# Altium PCB 掌控拓展板Ⅰ V1.3.PcbDoc (part 1 of 2)
Units mm, origin at the board's own origin, x right, y up, seen from the top; angles counter-clockwise.
Board outline 51.8 x 47.39 mm, 2 copper layers (Top Layer, Bottom Layer); 112 components, 72 nets, 363 pads, 155 vias.
Unrouted connection lines stored in the file: 2.
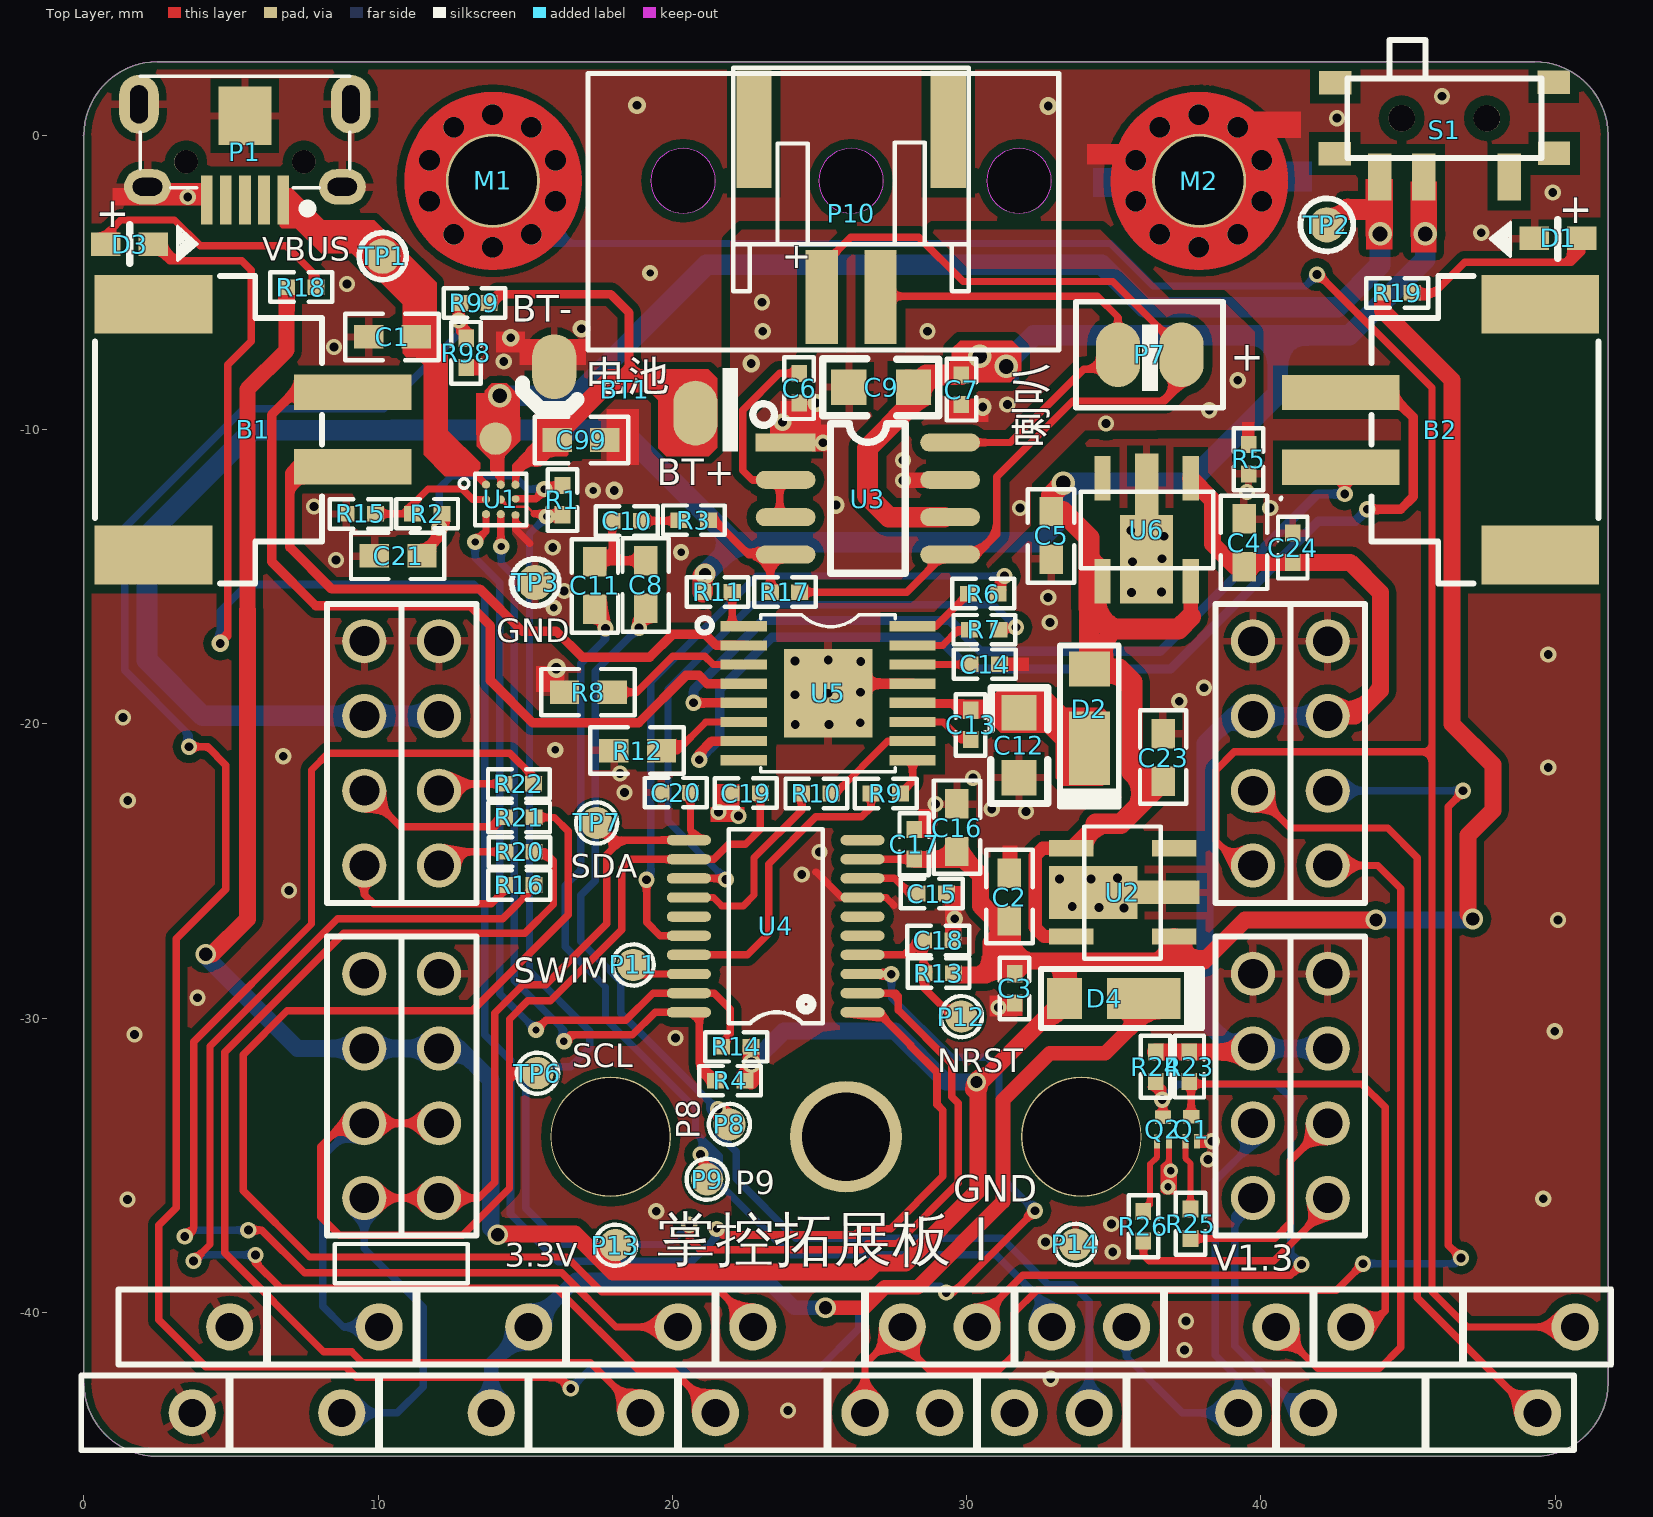
[diagram p0: Top Layer view]
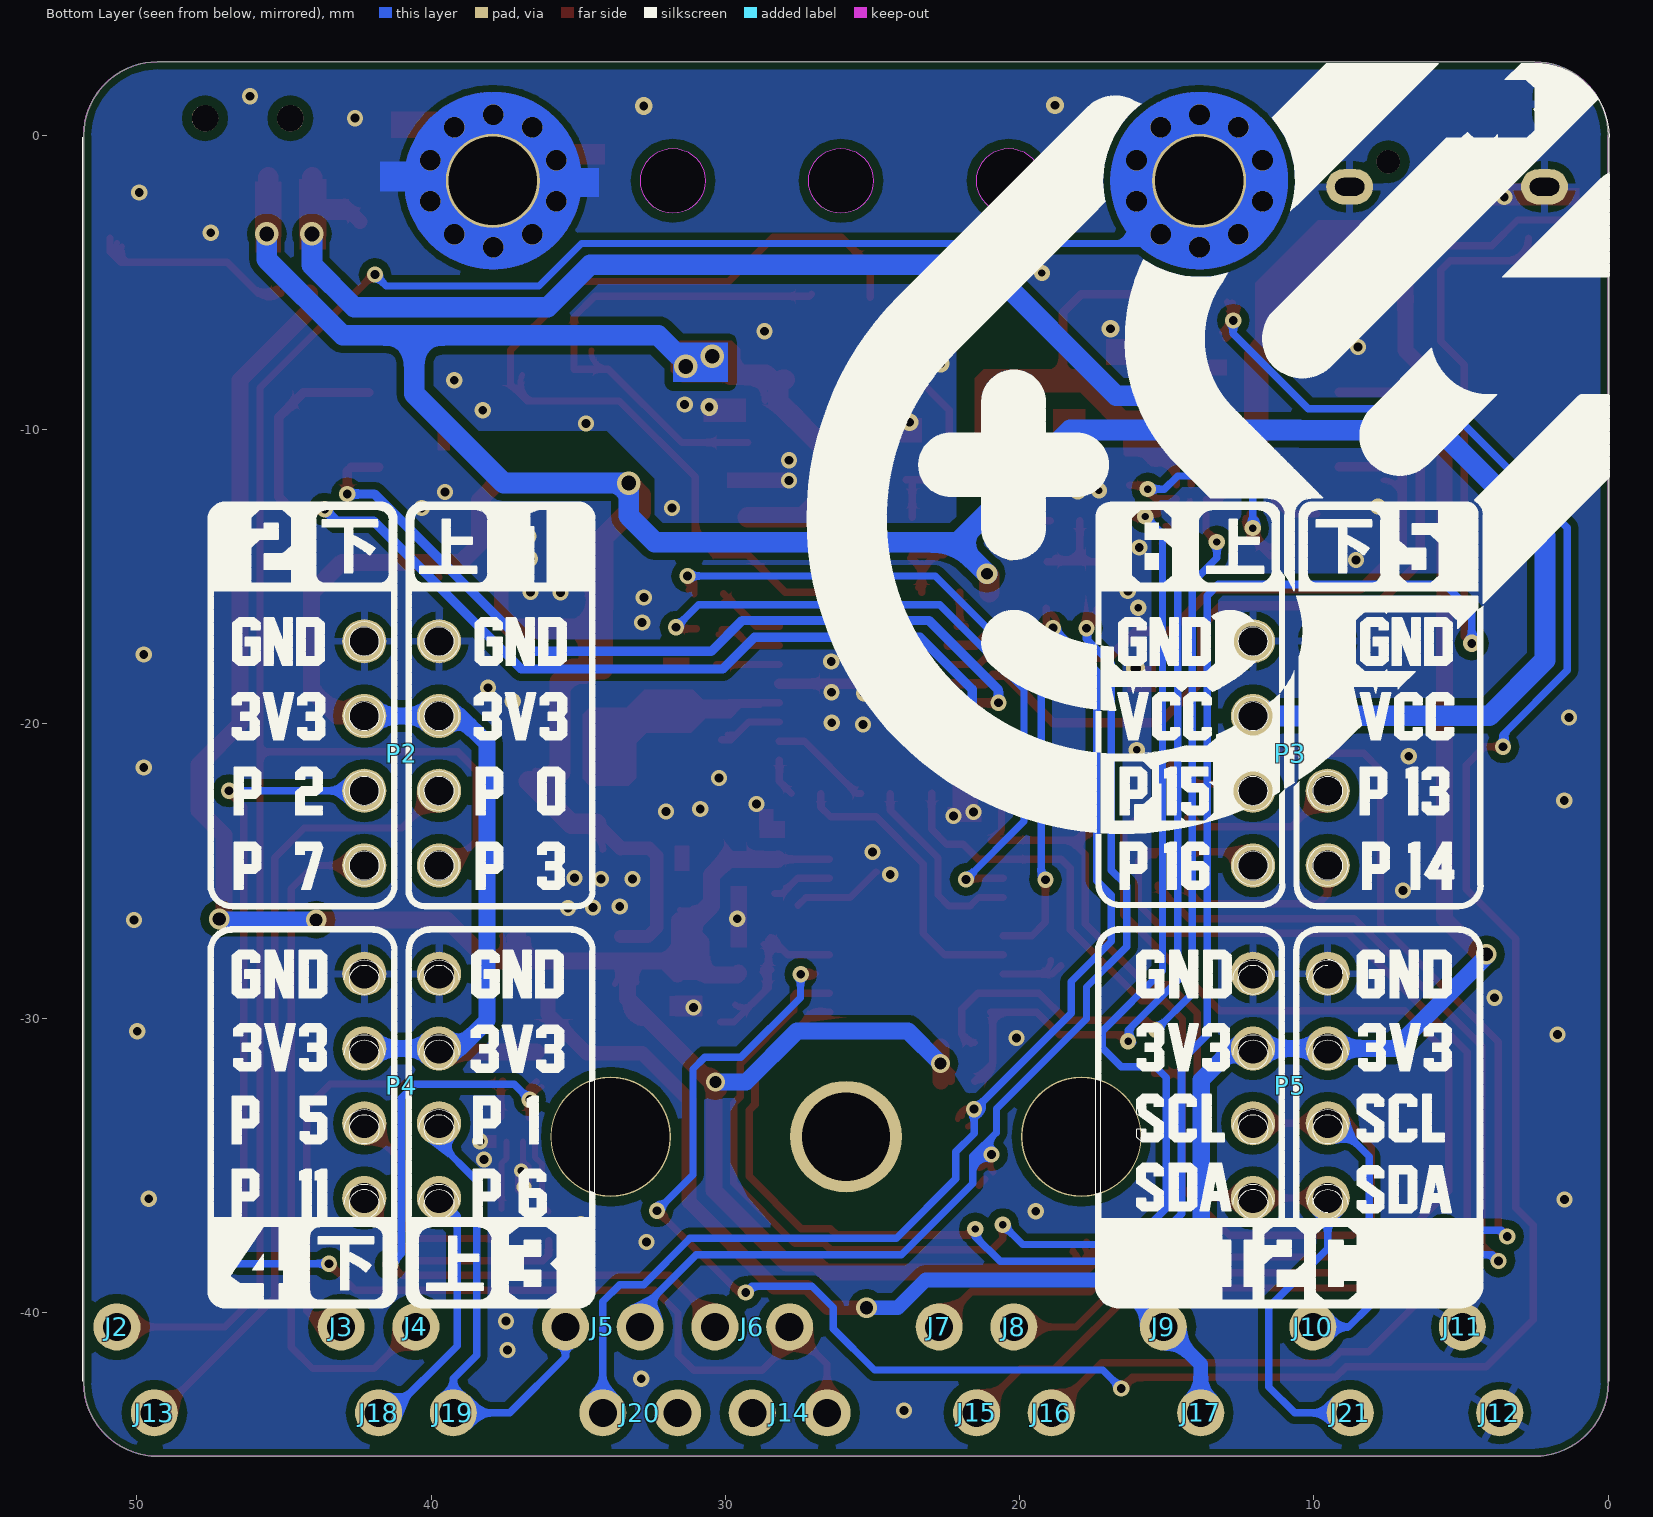
[diagram p1: Bottom Layer view, seen from below]

## Layer stack, top to bottom
Top Solder: solder mask 0.0102, Solder Resist, Dk 3.5
Top Layer: signal copper 0.0356
Dielectric 1: dielectric 0.32, FR-4, Dk 4.8
Bottom Layer: signal copper 0.0356
Bottom Solder: solder mask 0.0102, Solder Resist, Dk 3.5

## Board outline
0,-42.388 ccw(c2.507,-42.381) 2.5,-44.888 49.3,-44.888 ccw(c49.293,-42.38) 51.8,-42.388 51.8,0 ccw(c49.293,-0.007) 49.3,2.5 2.5,2.5 ccw(c2.507,-0.007) 0,0

## Design rules (kind name [scope] priority, off if disabled: settings)
Clearance Clearance_3 [InNet('AU_GND')] p1: gap=0.3
Clearance Clearance_2 [IsVia] p2: gap=0.28
Clearance Clearance_1 [IsPad] p3: gap=0.318
Clearance [All] p4: gap=0.25
PolygonConnect PolygonConnect_1 [IsVia] p1: connectstyle=Direct reliefconductorwidth=0.254 reliefentries=4 polygonreliefangle="90 Angle" airgapwidth=0.254
PolygonConnect [All] p2: connectstyle=Relief reliefconductorwidth=0.254 reliefentries=4 polygonreliefangle="90 Angle" airgapwidth=0.254
RoutingVias [All] p1: holewidth=0.711 width=1.27 viastyle="Through Hole" minholewidth=0.711 minwidth=1.27 maxholewidth=0.711 maxwidth=1.27
SolderMaskExpansion [All] p1: expansion=0.102
Width Width_13 [InNet('3V3_2')] p1: maxlimit=0.58 minlimit=0.58 preferedwidth=0.58
Width Width_12 [InNet('NetD4_C')] p2: maxlimit=0.5 minlimit=0.5 preferedwidth=0.5
Width Width_11 [InNet('3V3_1')] p3: maxlimit=0.58 minlimit=0.58 preferedwidth=0.58
Width Width_10 [InNet('NetD3_C')] p4: maxlimit=0.258 minlimit=0.258 preferedwidth=0.258
Width Width_9 [InNet('NetB2_2')] p5: maxlimit=0.32 minlimit=0.32 preferedwidth=0.32
Width Width_8 [InNet('NetB2_1')] p6: maxlimit=0.32 minlimit=0.32 preferedwidth=0.32
Width Width_7 [InNet('NetB1_2')] p7: maxlimit=0.32 minlimit=0.32 preferedwidth=0.32
Width Width_4 [InNet('NetB1_1')] p8: maxlimit=0.32 minlimit=0.32 preferedwidth=0.32
Width Width_6 [InNet('3V3_MCU')] p9: maxlimit=0.4 minlimit=0.4 preferedwidth=0.4
Width Width_5 [InNet('NetS1_2')] p10: maxlimit=0.7 minlimit=0.7 preferedwidth=0.7
Width Width_3 [InNet('3V3')] p11: maxlimit=0.55 minlimit=0.55 preferedwidth=0.55
Width Width_2 [InNet('VCC')] p12: maxlimit=0.7 minlimit=0.7 preferedwidth=0.7
Width Width_1 [InNet('NetBT1_1')] p13: maxlimit=0.8 minlimit=0.8 preferedwidth=0.8
Width [All] p14: maxlimit=0.25 minlimit=0.25 preferedwidth=0.25
30 further rules are at their usual default settings.

## Classes and differential pairs
component class Designator: D4 J2 J3 J4 J5 J6 J7 J8 J9 J10 J11 J12 J13 J14 J15 J16 J17 J18 J19 J20 J21 M1 M2 P2 P3 P4 P5 Q1 Q2 R16 R20 R21 R22 R23 R24 R25 R26

## Components (designator, comment, footprint, x,y, rotation, side; value= is the part's Value field where it differs from the comment)
B1 "N20" 2PIN/2.54MM座子 5.752,-10 r270 top locked
B2 "N20" 2PIN/2.54MM座子 46.1,-10 r90 top locked
BT1 "3.7V,400mAh" 焊盘#1 19.612,-9.438 r0 top locked
C1 "10uF" 0603 10.487,-6.848 r180 top
C2 "10uF" 0603 31.455,-25.885 r90 top
C3 "0.1uF" 0402 31.63,-28.99 r270 top
C4 "10uF" 0603 39.429,-13.845 r90 top
C5 "10uF" 0603 32.871,-13.592 r270 top
C6 "1uF" 0402 24.307,-8.588 r270 top
C7 "0.1uF" 0402 29.822,-8.64 r90 top
C8 "10uF" 0603 19.094,-15.263 r270 top
C9 "47uF" 0805 27.096,-8.557 r180 top
C10 "0.1uF" 0402 18.451,-13.097 r180 top
C11 "10uF" 0603 17.363,-15.294 r270 top
C12 "47UF" 0805 31.778,-20.724 r270 top
C13 "0.01uF" 0402 30.133,-20.036 r270 top
C14 "2.2uF" 0402 30.615,-17.971 r0 top
C15 "0.68uF" 0402 28.816,-25.763 r180 top
C16 "10uF" 0603 29.667,-23.525 r90 top
C17 "0.1uF" 0402 28.217,-24.086 r90 top
C18 "0.1uF" 0402 29.033,-27.354 r0 top
C19 "30pF" 0402 22.49,-22.351 r180 top
C20 "30pF" 0402 20.118,-22.338 r180 top
C21 "0.1uF" 0603 10.683,-14.286 r180 top
C23 "10uF" 0603 36.68,-21.141 r90 top (schematic designator C12)
C24 "0.1uF" 0402 41.082,-14.009 r90 top
C99 "4.7uF" 0603 16.898,-10.351 r0 top (schematic designator C21)
D1 "绿" 0603LED 50.099,-3.501 r0 top (schematic designator D2)
D2 "SBR2U30P1" POWERDI123 34.17,-19.482 r270 top
D3 "红" 0603LED 1.555,-3.7 r180 top (schematic designator D4)
D4 "SBR2U30P1" POWERDI123 34.674,-29.332 r0 top
J2 "" 顶针座子（2.54MM）#1 49.404,-40.492 r180 bottom locked
J3 "" 顶针座子（2.54MM）#2 44.324,-40.492 r180 bottom locked
J4 "" 顶针座子（2.54MM）#1 39.244,-40.492 r180 bottom locked
J5 "" 顶针座子（2.54MM）#3 34.164,-40.492 r180 bottom locked
J6 "" 顶针座子（2.54MM）#3 29.084,-40.492 r180 bottom locked
J7 "" 顶针座子（2.54MM）#2 24.004,-40.492 r180 bottom locked
J8 "" 顶针座子（2.54MM）#1 18.924,-40.492 r180 bottom locked
J9 "" 顶针座子（2.54MM）#1 13.844,-40.492 r180 bottom locked
J10 "" 顶针座子（2.54MM）#1 8.764,-40.492 r180 bottom locked
J11 "" 顶针座子（2.54MM）#1 3.684,-40.492 r180 bottom locked
J12 "" 顶针座子（2.54MM）#1 2.414,-43.412 r180 bottom locked
J13 "" 顶针座子（2.54MM）#1 48.134,-43.412 r180 bottom locked
J14 "" 顶针座子（2.54MM）#3 27.814,-43.412 r180 bottom locked
J15 "" 顶针座子（2.54MM）#2 22.734,-43.412 r180 bottom locked
J16 "" 顶针座子（2.54MM）#1 17.654,-43.412 r180 bottom locked
J17 "" 顶针座子（2.54MM）#1 12.574,-43.412 r180 bottom locked
J18 "" 顶针座子（2.54MM）#2 43.054,-43.412 r180 bottom locked
J19 "" 顶针座子（2.54MM）#1 37.974,-43.412 r180 bottom locked
J20 "" 顶针座子（2.54MM）#3 32.894,-43.412 r180 bottom locked
J21 "" 顶针座子（2.54MM）#1 7.494,-43.412 r180 bottom locked
M1 "" 3MM螺丝孔 13.9,-1.544 r180 top locked
M2 "" 3MM螺丝孔 37.9,-1.544 r180 top locked
P1 "USB-Micro" MICRO_USB2 5.475,-0.571 r0 top locked
P2 "Header 4X2" 双拼弯角排针2.54/4P#1 41,-21 r90 bottom locked
P3 "Header 4X2" 双拼弯角排针2.54/4P#1 10.801,-20.999 r90 bottom locked
P4 "Header 4X2" 双拼弯角排针2.54/4P#1 41,-32.3 r90 bottom locked
P5 "Header 4X2" 双拼弯角排针2.54/4P#2 10.799,-32.098 r90 bottom locked
P7 "speaker" 焊盘#2 36.211,-7.455 r0 top (schematic designator BT1)
P8 "" 测试点#1 21.939,-33.61 r0 top
P9 "" 测试点#1 21.179,-35.475 r0 top
P10 "NC" 2PIN/2.0MM座子 26.073,-2.645 r180 top locked
P11 "" 测试点#1 18.668,-28.191 r0 top (schematic designator P8)
P12 "" 测试点#1 29.821,-29.946 r0 top (schematic designator P8)
P13 "" 测试点#1 18.066,-37.712 r0 top (schematic designator P8)
P14 "" 测试点#1 33.692,-37.688 r0 top (schematic designator P8)
Q1 "J3Y" "DFN 3L" 37.63,-33.762 r270 top
Q2 "J3Y" "DFN 3L" 36.671,-33.774 r270 top
R1 "10K" 0402 16.265,-12.393 r270 top
R2 "10K" 0402 11.665,-12.856 r0 top
R3 "1K" 0402 20.732,-13.076 r180 top
R4 "10K" 0402 21.963,-32.125 r180 top
R5 "0R" 0402 39.581,-11.007 r270 top
R6 "1K" 0402 30.564,-15.573 r0 top
R7 "1K" 0402 30.602,-16.798 r0 top
R8 "0.2R" 0603 17.145,-18.922 r180 top
R9 "1K" 0402 27.253,-22.363 r180 top
R10 "1K" 0402 24.894,-22.363 r180 top
R11 "47K" 0402 21.535,-15.517 r180 top
R12 "0.2R" 0603 18.819,-20.907 r180 top
R13 "10K" 0402 29.048,-28.472 r0 top
R14 "10K" 0402 22.172,-30.972 r180 top
R15 "10K" 0402 9.407,-12.863 r0 top
R16 "200R" 0402 14.798,-25.473 r0 top
R17 "6.81K" 0402 23.826,-15.523 r180 top
R18 "2.2K" 0402 7.392,-5.157 r180 top
R19 "2.2K" 0402 44.633,-5.352 r180 top
R20 "200R" 0402 14.804,-24.344 r180 top
R21 "200R" 0402 14.791,-23.178 r0 top
R22 "200R" 0402 14.785,-22.036 r180 top
R23 "10K" 0402 37.566,-31.645 r90 top
R24 "10K" 0402 36.42,-31.651 r90 top
R25 "1K" 0402 37.607,-36.988 r270 top
R26 "1K" 0402 36.004,-37.066 r270 top
R98 "1M" 0402 12.991,-7.393 r270 top (schematic designator R22)
R99 "1M" 0402 13.274,-5.695 r180 top (schematic designator R22)
S1 "SW-SPDT" MSK-12C01-07(1P2T) 46.234,0.195 r0 top locked
S2 "SW-SPDT" MSK-12C01-07(1P2T) 199.783,29.014 r0 top
S3 "SW-SPDT" MSK-12C01-07(1P2T) 255.583,29.02 r0 top
S4 "SW-SPDT" MSK-12C01-07(1P2T) 255.583,-22.37 r0 top
S5 "SW-SPDT" MSK-12C01-07(1P2T) 199.783,-22.376 r0 top
TP1 "VBUS" 测试点#2 10.155,-4.106 r0 top
TP2 "Vsys" 测试点#2 42.239,-3.041 r180 top locked
TP3 "GND" 测试点#2 15.337,-15.194 r0 top
TP6 "SCL" 测试点#1 15.416,-31.868 r180 top
TP7 "SDA" 测试点#1 17.426,-23.365 r180 top
U1 "MP2662" WLCSP-9 14.168,-12.372 r0 top
U2 "CE6210B33P" SOT89-5 35.305,-25.725 r90 top
U3 "MIX2002" SOP-8 26.643,-12.34 r0 top
U4 "'STM8S003F3P6" TSSOP-20 23.51,-26.873 r180 top (schematic designator U8)
U5 "DRV8833" "HTSSOP -16(PWP)" 25.293,-18.957 r270 top (schematic designator U6)
U6 "CE6210B33P" SOT89-5 36.112,-13.403 r180 top

## Footprints (in the part's own frame and the unit in brackets; to place one, negate y for a bottom-side part, rotate by r counter-clockwise, add the part's x,y. Pads: shape width x height; smd on the part's side, far side on the other; paste and mask are expansions set on the pad)
2PIN/2.0MM座子 [mm]
  rect 1.1x3.2 smd mask+0.1: 1(-1,2.85) 2(1,2.85)
  rect 1.2x4 smd mask+0.1: 2(3.3,-2.85) 3(-3.3,-2.85)
  silkscreen extent -4,-4.95 4,2.65
2PIN/2.54MM座子 [mm]
  rect 1.2x4 smd: 1(1.264,3.387) 2(-1.276,3.387)
  rect 2x4 smd: ""(-4.264,-3.387) ""(4.264,-3.387)
  silkscreen extent -5.22,-5.37 5.22,2.34
3MM螺丝孔 [mm]
  round 3.2 hole 3: 1(0,0)
  round 0.7 hole 0.7: 12(1.335,1.821) 13(0.012,2.251) 14(-1.311,1.82) 15(-2.128,0.694) 16(-2.129,-0.694) 18(-1.31,-1.821) 19(0.012,-2.249) 20(1.334,-1.82) 22(2.152,-0.696) 24(2.152,0.695)
  Top Layer drawing of 1328 lines, arcs and shapes, not listed
  Bottom Layer drawing of 1328 lines, arcs and shapes, not listed
0402 [mm]
  rect 0.58x0.53 smd: 1(0.5,0) 2(-0.5,0)
  silkscreen extent -1.05,-0.5 1.05,0.5
0603 [mm]
  rect 1x0.8 smd: 1(-0.81,0) 2(0.81,0)
  silkscreen extent -1.57,-0.79 1.6,0.79, body extent -0.81,-0.4 0.79,0.4, height 0.45
0603LED [mm]
  rect 1x0.8 smd: A(0.81,0) C(-0.81,0)
  silkscreen extent -2.31,-0.67 0,0.64
0805 [mm]
  rect 1.2x1.2 smd: 1(-1.1,0) 2(1.1,0)
  silkscreen extent -1.96,-0.96 1.98,0.98
"DFN 3L" [mm]
  rect 0.48x0.2 smd: 1(0.42,-0.2) 2(0.42,0.2)
  rect 0.46x0.55 smd: 3(-0.41,0)
"HTSSOP -16(PWP)" [mm] "ERP-321210028"
  rect 3x3 smd: 0(0,0)
  rect 0.35x1.57 smd: 1(-2.275,-2.87) 2(-1.625,-2.87) 3(-0.975,-2.87) 4(-0.325,-2.87) 5(0.325,-2.87) 6(0.975,-2.87) 7(1.625,-2.87) 8(2.275,-2.87) 9(2.275,2.87) 10(1.625,2.87) 11(0.975,2.87) 12(0.325,2.87) 13(-0.325,2.87) 14(-0.975,2.87) 15(-1.625,2.87) 16(-2.275,2.87)
  silkscreen extent -2.67,-4.45 2.67,2.29
MICRO_USB2 [mm] "ERP-304100410001"
  rect 1.8x2 smd: 0(0,1.237)
  rect 0.4x1.65 smd: 1(1.3,-1.625) 2(0.65,-1.625) 3(0,-1.625) 4(-0.65,-1.625) 5(-1.3,-1.625)
  oval 0.9x1.5 hole 0.6 slot 1.3 at 90 deg: 6(-3.6,1.625) 7(3.6,1.625)
  oval 1.6x1.2 hole 0.6 slot 1 at 0 deg: 8(-3.31,-1.175) 9(3.31,-1.175)
  round 0.8 hole 0.8: " "(-2,-0.325) " "(2,-0.325)
  silkscreen extent -3.56,-1.92 3.56,2.58
MSK-12C01-07(1P2T) [mm] "贴片7脚拨动开关"
  rect 1.1x0.8 smd: 0(-3.727,-0.814) 0(-3.708,1.592) 0(3.718,1.615) 0(3.727,-0.808)
  round 0.9 hole 0.9: 0(-1.452,0.385) 0(1.448,0.385)
  rect 0.8x1.6 smd: 1(2.198,-1.615) 2(-2.202,-1.615) 3(-0.702,-1.615)
  silkscreen extent -3.3,-0.96 3.3,3.04
POWERDI123 [mm] "ERP-323110003"
  rect 1.2x1.4 smd: A(-1.35,0)
  rect 2.5x1.4 smd: C(1.35,0)
  silkscreen extent -2.15,-1 3.33,1
SOP-8 [mil]
  rect 80x24 smd: 1(-110,75)
  oval 80x24 smd: 2(-110,25) 3(-110,-25) 4(-110,-75) 5(110,-75) 6(110,-25) 7(110,25) 8(110,75)
  silkscreen extent -50,-100 50,100
SOT89-5 [mm]
  rect 0.55x1.5 smd: 1(-1.5,-1.75) 3(1.5,-1.75) 4(1.5,1.75) 5(-1.5,1.75)
  rect 1.8x3 smd: 2(0,1)
  rect 0.8x2.5 smd: 2(0,-1.35)
  silkscreen extent -2.26,-1.3 2.24,1.3
TSSOP-20 [mm]
  oval 1.5x0.35 smd: 1(-2.95,2.925) 2(-2.95,2.275) 3(-2.95,1.625) 4(-2.95,0.975) 5(-2.95,0.325) 6(-2.95,-0.325) 7(-2.95,-0.975) 8(-2.95,-1.625) 9(-2.95,-2.275) 10(-2.95,-2.925) 11(2.95,-2.925) 12(2.95,-2.275) 13(2.95,-1.625) 14(2.95,-0.975) 15(2.95,-0.325) 16(2.95,0.325) 17(2.95,0.975) 18(2.95,1.625) 19(2.95,2.275) 20(2.95,2.925)
  silkscreen extent -1.6,-3.3 1.6,3.3
WLCSP-9 [mm]
  round 0.28 smd mask+0.03: A1(-0.5,0.5) A2(0,0.5) A3(0.5,0.5) B1(-0.5,0) B2(0,0) C1(-0.5,-0.5) C2(0,-0.5)
  round 0.2 smd mask+0.03: B3(0.5,0) C3(0.5,-0.5)
  silkscreen extent -1.41,-0.87 0.87,0.87
双拼弯角排针2.54/4P#1 [mm]
  round 1.5 hole 1.016: 1(-3.81,-1.27) 2(-3.81,1.27) 3(-1.27,-1.27) 4(-1.27,1.27) 5(1.27,-1.27) 6(1.27,1.27) 7(3.81,-1.27) 8(3.81,1.27)
双拼弯角排针2.54/4P#2 [mm]
  round 1.5 hole 1.016: 1(-4.012,-1.269) 2(-4.012,1.271) 3(-1.472,-1.269) 4(-1.472,1.271) 5(1.068,-1.269) 6(1.068,1.271) 7(3.608,-1.269) 8(3.608,1.271)
  silkscreen extent 2.97,-2.54 4.24,-2.54
测试点#1 [mm]
  round 1.1 smd: 1(0,0)
  silkscreen extent -0.7,-0.7 0.7,0.7
测试点#2 [mm]
  round 1.2 smd: 1(0,0)
  silkscreen extent -0.8,-0.8 0.8,0.8
焊盘#1 [mm]
  oval 1.5x2.2 smd: 1(1.17,0) 2(-3.626,1.578)
焊盘#2 [mm]
  oval 1.5x2.2 smd: 1(-1.07,0) 2(1.091,0)
  silkscreen extent -2.5,-1.8 2.5,1.8
顶针座子（2.54MM）#1 [mm]
  round 1.6 hole 0.95: 1(-1.27,0)
顶针座子（2.54MM）#2 [mm]
  round 1.6 hole 0.95: 2(1.27,0)
顶针座子（2.54MM）#3 [mm]
  round 1.6 hole 0.95: 1(-1.27,0) 2(1.27,0)

## Part data
B1 B2: library part Motor, "Motor, General Kind"
BT1: library part Battery, "4.2V Li-lon"
C1 C2 C3 C4 C5 C6 C7 C8 C9 C10 C11 C13 C14 C15 C16 C17 C18 C19 C20 C21 C23 C24 C99: library part CAP1_npol, "CAP, CERM, 0.01uF, 100V, +/-5%, X7R, 0603"
C12: library part CAP3_pol, "CAP ALUM 22UF 10V 20% SMD"
D1 D3: library part LED1
D2 D4: library part Diode_Schottky
J2 J3 J4 J5 J6 J7 J8 J9 J10 J11: library part pogopin
J12 J13 J14 J15 J16 J17 J18 J19 J20 J21: library part pogopin_32
M1 M2: library part screw
P1: "USB Connector"
P2 P3 P4 P5: "Header, 4-Pin, Dual row"
P7 P10: library part "Header 2", "Header, 2-Pin"
P8 P9 P11 P12 P13 P14 TP1 TP2 TP3 TP6 TP7: library part TP, "Test Point"
Q1 Q2: library part 2N3904, "NPN General Purpose Amplifier"
R1 R2 R3 R4 R5 R6 R7 R8 R9 R10 R11 R12 R13 R14 R15 R16 R17 R18 R19 R20 R21 R22 R23 R24 R25 R26 R98 R99: library part RES1, "RES, 1.0k ohm, 5%, 0.1W, 0603"
S1 S2 S3 S4 S5: "SPDT Subminiature Toggle Switch, Right Angle Mounting, Vertical Actuation"
U1: "500mA Single Cell Li-ion Battery Charger  with Power Path Management, 1mA  Termination and <1μA Battery Leakage"
U2 U6: library part AP2112K
U4: library part STM8S103F2P6, "ST 8-bit  Microcontroller"
U5: library part DRV8833PWP, "DUAL H-BRIDGE MOTOR DRIVER"

## Free pads (board coordinates)
  round 1 smd: 0(25.9,-34.027)
  round 1 hole 1: 1(25.9,-34.027)
  round 1.2 all layers, no hole: 2(150.304,19.147) 2(265.101,-53.691) 3(264.493,19.268)
  round 4.1 hole 4: 8(17.9,-34.027) 8(33.9,-34.027) 8(33.9,-34.027)
  oval 0.28x0.24 smd mask+0.03: 23(14.668,-12.352)
  oval 0.28x0.25 smd mask+0.03: 24(14.668,-12.902)
  oval 1.35x2 smd: 25(9.075,1.054) 26(1.875,1.054)
  round 1.1 smd: 27(13.992,-10.305)
  round 2.2 hole 2.2: 28(20.364,-1.545) 28(26.072,-1.545) 28(31.781,-1.545)
  round 3.8 hole 3: M3(25.9,-34.027)

## Via types
v1: diameter 0.55, hole 0.3, Top Layer to Bottom Layer, 113 vias
v2: diameter 0.55, hole 0.25, Top Layer to Bottom Layer, 14 vias
v3: diameter 0.6, hole 0.3, Top Layer to Bottom Layer, 11 vias
v4: diameter 0.8, hole 0.5, Top Layer to Bottom Layer, 6 vias
v5: diameter 0.7, hole 0.45, Top Layer to Bottom Layer, 5 vias
v6: diameter 0.5, hole 0.25, Top Layer to Bottom Layer, 2 vias
v7: diameter 0.65, hole 0.4, Top Layer to Bottom Layer, 2 vias
v8: diameter 0.65, hole 0.35, Top Layer to Bottom Layer, 1 vias
v9: diameter 0.7, hole 0.4, Top Layer to Bottom Layer, 1 vias

## Nets (pads, with @x,y where several pads share a name; then routed paths per layer and width w, separated by ;. In a path a pad name is that pad's centre, name@x,y a point inside that pad or via, vN(x,y) a via of type N, cw(c..) or ccw(c..) an arc to the next point about the centre after c; other vN are vias at no path point)
3V3_1: C2.1 C3.2 C16.1 C17.2 D4.A P5.5 P5.6 P13.1 R4.2 R13.1 R14.2 R18.1 R19.1 U2.1 U4.9 | length 146.8
  Top Layer w0.2: 17.311,-37.695 ccw(c17.461,-37.428) P13.1@17.728,-37.578 ; 17.471,-37.997 ccw(c17.525,-37.748) P13.1@17.774,-37.802 ; P13.1@18.185,-37.874 ccw(c18.562,-38.128) 18.308,-38.505 ; v7@30.501,-32.031 cw(c30.25,-32.309) 30.528,-32.56 ; 30.575,-25.751 ccw(c31.342,-25.552) C2.1@31.54,-26.318 ; C2.1@31.665,-27.195 ccw(c32.227,-27.352) 32.069,-27.914 ; C2.1@31.694,-27.13 ccw(c32.402,-27.2) 32.332,-27.908 ; 32.607,-28.113 cw(c32.475,-28.66) D4.A@33.022,-28.791 ; 32.647,-30.183 ccw(c32.715,-29.507) D4.A@33.39,-29.575 ; D4.A@33.759,-28.844 cw(c34.2,-28.513) 33.87,-28.072 ; 36.18,-27.926 ccw(c36.136,-27.355) U2.1@36.706,-27.312 ; 36.198,-27.896 ccw(c36.308,-27.288) U2.1@36.917,-27.399 ; U2.1@37.244,-27.271 ccw(c37.987,-26.99) 38.268,-27.733 ; U2.1@37.355,-27.218 ccw(c37.929,-27.411) 37.736,-27.984 ; U2.1@37.584,-27.2 ccw(c38.086,-27.387) 37.9,-27.89
  Top Layer w0.22: 18.063,-38.53 cw(c18.427,-38.304) P13.1@18.201,-37.94 ; 30.056,-32.391 cw(c30.699,-32.398) 30.706,-31.754 ; 30.159,-28.437 ccw(c30.133,-27.952) 30.618,-27.927 ; 30.66,-26.615 cw(c30.356,-27.047) 30.788,-27.351
  Top Layer w0.25: U4.9@26.46,-24.598 C17.2@28.229,-24.598
  Top Layer w0.3: R4.2@22.349,-32.119 cw(c22.786,-32.062) v7@22.729,-31.625
  Top Layer w0.55: 5.558,-16.128 5.558,-8.632 6.892,-7.299 R18.1@6.892,-5.157
  Top Layer w0.58: v5(4.14,-27.825) 4.36,-27.825 5.558,-26.627 5.558,-16.128 ; v5@14.23,-37.328 16.689,-37.328 17.988,-38.628 26.607,-38.628 26.915,-38.32 27.928,-38.32 30.39,-35.858 30.39,-32.584 30.231,-32.425 D4.A@33.324,-29.332 33.324,-28.247 33.186,-28.108 ; R4.2@22.672,-32.126 R14.2@22.672,-30.972 ; C17.2@28.217,-24.586 28.229,-24.598 28.236,-24.604 29.937,-24.604 30.475,-25.142 30.475,-26.192 30.969,-26.687 C2.1@31.559,-26.687 ; R13.1@29.548,-28.472 29.607,-28.531 30.657,-28.531 ; 30.825,-28.465 30.825,-27.42 C2.1@31.559,-26.687 ; C3.2@31.559,-28.419 C2.1@31.559,-26.687 ; C3.2@31.63,-28.49 32.067,-28.052 38.067,-28.052 39.461,-26.659 v5(43.907,-26.659) ; 37.055,-27.992 U2.1@37.055,-27.225 ; R19.1@44.133,-5.352 44.133,-5.955 46.492,-8.313 46.492,-19.999 47.88,-21.387 47.88,-22.938 47.035,-23.783 47.035,-26.463 v5(47.198,-26.627)
  Bottom Layer w0.5: v5@4.14,-27.907 v5(4.14,-27.825) ; P5.6@12.07,-31.03 P5.6@12.761,-31.03
  Bottom Layer w0.58: v5@4.14,-27.907 7.262,-31.03 P5.5@9.53,-31.03 P5.6@12.07,-31.03 ; P5.6@12.761,-31.03 13.829,-32.097 13.829,-37.123 v5(14.066,-37.36) ; v7(22.688,-31.54) 23.799,-30.428 ; 23.829,-30.428 27.56,-30.428 29.302,-32.171 v7(30.335,-32.171) ; v5(43.907,-26.659) v5@47.167,-26.659
3V3_2: C4.1 C24.2 P2.5 P2.6 P4.5 P4.6 R23.1 R24.1 U6.1 | length 40.6
  Top Layer w0.2: C4.1@39.712,-15.018 cw(c40.224,-15.144) 40.35,-14.633 ; P2.6@42.373,-19.264 ccw(c42.786,-18.109) 43.941,-18.521 ; P2.6@42.431,-19.287 ccw(c42.958,-18.647) 43.598,-19.173
  Top Layer w0.58: R24.1@36.42,-31.151 P4.5@39.609,-31.151 ; U6.1@37.612,-11.653 38.356,-12.396 38.356,-13.884 39.127,-14.655 C4.1@39.429,-14.655 ; C4.1@39.126,-14.509 C24.2@41.082,-14.509 43.032,-14.509 44.058,-15.535 44.058,-18.864 43.192,-19.73 P2.6@42.27,-19.73
  Bottom Layer w0.58: P4.6@42.27,-31.03 P4.5@39.73,-31.03 39.046,-31.03 38.092,-30.077 38.092,-20.668 39.03,-19.73 P2.5@39.73,-19.73 P2.6@42.27,-19.73
AIN1: R6.1 U4.16 | length 24.6
  Top Layer w0.2: R6.1@31.247,-15.442 cw(c31.552,-15.29) v1@31.4,-14.985
  Top Layer w0.25: v1(19.124,-25.297) 19.124,-26.744 19.577,-27.198 U4.16@20.56,-27.198 ; R6.1@31.064,-15.573 31.064,-15.197 v1(31.287,-14.974)
  Bottom Layer w0.25: v1(19.124,-25.297) 19.268,-25.152 19.268,-18.577 22.87,-14.974 v1(31.287,-14.974)
AIN2: R7.1 U4.13 | length 22.5
  Top Layer w0.25: U4.13@20.56,-25.248 21.787,-25.248 v1(21.823,-25.284) ; R7.1@30.987,-16.763 v1@31.597,-16.763 ; R7.1@31.311,-16.782 R7.1@31.337,-16.782
  Bottom Layer w0.25: v1(21.823,-25.284) 19.851,-23.313 19.851,-18.818 22.72,-15.95 30.911,-15.95 v1(31.679,-16.717)
AU_GND: C6.1 C7.2 C9.2 R5.2 U3.1 U3.7 | length 1.4
  Top Layer w0.25: v1@27.855,-11.705 U3.7@29.237,-11.705
  other v1: 31.818,-12.665 27.832,-11.729 27.832,-11.038 25.116,-10.444 34.738,-9.796 38.244,-9.342 31.383,-9.14 39.215,-8.321 23.071,-6.656 28.671,-6.656 23.046,-5.672
  other v3: 25.556,-12.558 23.74,-9.746 30.548,-9.231 24.887,-9.094 22.68,-7.753
BAT: R98.2 R99.1 U4.3 | length 97.4
  Top Layer w0.22: v1@3.612,-20.932 cw(c3.983,-21.31) 4.362,-20.939 ; R99.1@12.591,-5.855 cw(c12.429,-6.046) v1@12.62,-6.208 ; R99.1@12.949,-5.66 ccw(c13.552,-6.09) R98.2@13.122,-6.693 ; 15.835,-42.236 cw(c15.907,-42.772) v1@16.443,-42.7 ; U4.3@26.929,-28.49 ccw(c27.172,-28.261) 27.4,-28.504 ccw(c27.205,-28.684) U4.3@27.025,-28.49 ; v1@29.324,-39.174 ccw(c29.506,-38.9) 29.78,-39.082 ; 32.033,-36.833 cw(c32.323,-36.833) v1(32.323,-36.543)
  Top Layer w0.25: v1(3.576,-20.776) 4.206,-20.776 4.828,-21.398 4.828,-25.614 3.145,-27.298 3.145,-36.444 2.551,-37.038 2.551,-40.249 4.142,-41.84 8.897,-41.84 9.264,-42.207 16.172,-42.207 v1(16.549,-42.583) ; R99.1@12.774,-5.695 12.774,-6.676 R98.2@12.991,-6.893 ; v1(29.309,-39.322) 29.543,-39.322 v1(32.323,-36.543)
  Bottom Layer w0.22: 3.283,-20.09 cw(c3,-20.5) v1@3.41,-20.783 ; 28.846,-39.13 cw(c28.867,-39.459) v1@29.196,-39.437 ; 32.096,-36.295 cw(c32.135,-36.589) v1@32.429,-36.55 ; 32.118,-36.309 ccw(c32.365,-36.383) v1@32.291,-36.631
  Bottom Layer w0.25: v1(3.576,-20.776) 3.576,-20.366 1.391,-18.18 1.391,-13.335 5.437,-9.289 10.19,-9.289 12.744,-6.735 v1(12.744,-6.29) ; v1(16.549,-42.583) 17.179,-41.954 24.931,-41.954 26.332,-40.553 26.332,-39.832 27.053,-39.11 29.097,-39.11 v1(29.309,-39.322) ; v1@27.444,-28.504 27.444,-29.301 29.472,-31.329 30.703,-31.329 31.099,-31.726 31.099,-35.319 v1(32.323,-36.543)
  other v1: 27.44,-28.504
BIN1: R9.1 U4.17 | length 10.1
  Top Layer w0.25: U4.17@20.56,-27.848 22.55,-27.848 23.275,-27.124 23.275,-24.759 24.875,-23.159 26.426,-23.159 26.753,-22.832 R9.1@26.753,-22.363
BIN2: R10.1 U4.14 | length 6.6
  Top Layer w0.25: U4.14@20.56,-25.898 21.396,-25.898 21.684,-26.186 22.403,-26.186 22.775,-25.814 22.775,-24.552 24.394,-22.932 R10.1@24.394,-22.363
GND: BT1.2 C1.2 C2.2 C3.1 C4.2 C5.2 C12.2 C14.1 C15.2 C16.2 C17.1 C18.1 C19.1 C20.1 C21.2 C23.2 C24.1 C99.2 D1.C J11.1 J12.1 M2.1 P1.0 P1.5 P1.6 P1.7 P1.8 P1.9 P2.7 P2.8 P3.7 P3.8 P4.7 P4.8 P5.7 P5.8 P14.1 pad.24 pad.25 pad.26 Q1.2 Q2.2 R5.1 R8.2 R12.2 R15.2 R98.1 TP3.1 U1.C3 U2.2 U4.7 U5.0 U5.13 U6.2 | length 8.3
  Top Layer w0.2: 14.673,-13.052 ccw(c14.966,-12.973) 15.045,-13.266 ; v6@36.871,-35.196 Q2.2@36.871,-34.194
  Top Layer w0.25: pad.24@14.668,-12.902 14.668,-13.387 15.15,-13.869 ; 24.862,-25.032 24.891,-25.032 25.757,-25.898 U4.7@26.46,-25.898 27.262,-25.898 27.53,-26.166
  Top Layer w0.35: U5.0@25.618,-18.632 U5.13@28.163,-18.632
  other v1: 23.927,-43.326 32.86,-42.251 37.408,-41.277 37.455,-40.295 34.964,-37.944 32.683,-37.605 34.917,-36.996 19.451,-36.559 1.486,-36.161 49.592,-36.136 38.203,-34.803 38.338,-34.183 20.109,-30.668 1.721,-30.554 49.986,-30.441 31.086,-29.633 3.866,-29.307 50.099,-26.663 29.598,-26.621 34.496,-26.241 35.347,-26.251 33.589,-26.206 6.972,-25.656 33.154,-25.275 34.229,-25.271 35.128,-25.233 24.395,-25.12 25.001,-24.351 22.25,-23.124 21.568,-22.998 32.013,-22.976 30.853,-22.888 28.945,-22.723 1.495,-22.603 18.374,-22.332 30.216,-21.834 18.225,-21.681 49.761,-21.476 6.776,-21.096 24.176,-20.024 25.325,-20.017 26.382,-19.96 1.334,-19.779 37.222,-19.23 24.169,-19.009 25.293,-18.957 26.392,-18.921 38.061,-18.77 24.162,-17.867 26.403,-17.874 25.297,-17.825 49.761,-17.641 32.827,-16.556 32.77,-15.705 35.605,-15.535 36.616,-15.52 16.323,-15.485 35.64,-14.487 8.572,-14.427 36.642,-14.39 15.934,-14.007 36.701,-13.621 35.577,-13.427 40.318,-12.665 7.825,-12.616 39.53,-12.123 14.271,-7.683 8.5,-7.188 8.939,-5.053 47.488,-3.311 3.533,-2.098 49.916,-1.938 42.586,0.585 46.152,1.332
  other v2: 16.021,-20.882 15.969,-16.051 20.296,-14.165 17.306,-12.069 19.244,-4.677
  other v3: 18.027,-12.069 14.505,-6.877 16.91,-6.573 32.77,1 18.796,1.025
  other v6: 36.841,-35.733 36.937,-35.18
  other v8: 16.057,-18.109
INT: R1.1 U1.B2 U4.2 | length 55.7
  Top Layer w0.09: U1.B2@14.17,-12.466 cw(c14.214,-12.549) 14.297,-12.505 ; 15.303,-12.856 15.07,-12.623 14.42,-12.623 U1.B2@14.168,-12.372 ; U1.B2@14.168,-12.372 ccw(c14.284,-12.375) 14.281,-12.491 ccw(c14.165,-12.488) U1.B2@14.168,-12.372
  Top Layer w0.2: v2(15.729,-12.95) ccw(c15.938,-12.763) R1.1@16.125,-12.971
  Top Layer w0.22: 27.279,-29.165 cw(c27.304,-29.533) 27.672,-29.508
  Top Layer w0.25: 15.303,-12.856 16.228,-12.856 R1.1@16.265,-12.893 ; v2@20.67,-36.918 v2(20.571,-37.016) 20.571,-37.496 20.946,-37.871 26.349,-37.871 26.424,-37.87 26.639,-37.655 27.623,-37.655 27.638,-37.639 27.668,-37.639 29.718,-35.59 29.718,-32.896 29.496,-32.674 29.496,-31.544 27.676,-29.724 27.676,-29.249 27.681,-29.244 27.585,-29.148 U4.2@26.46,-29.148
  Bottom Layer w0.25: v2(15.729,-12.95) 15.143,-13.536 15.143,-28.383 17.198,-30.438 17.198,-30.999 16.549,-31.647 15.385,-31.647 15.017,-32.016 15.017,-36.455 16.251,-37.689 19.898,-37.689 v2(20.571,-37.016)
NetB1_1: B1.1 U5.2 | length 23.1
  Top Layer w0.2: 7.042,-12.313 cw(c7.638,-12.317) B1.1@7.641,-11.721
  Top Layer w0.32: B1.1@9.139,-11.264 7.198,-11.264 7.001,-11.461 7.001,-13.998 8.418,-15.414 13.461,-15.414 14.896,-16.849 16.057,-16.849 16.938,-17.73 19.229,-17.73 20,-16.959 21.12,-16.959 21.493,-17.332 U5.2@22.423,-17.332
NetB1_2: B1.2 U5.4 | length 28.3
  Top Layer w0.32: B1.2@9.139,-8.724 7.151,-8.724 6.38,-9.494 6.38,-14.48 7.885,-15.984 13.14,-15.984 13.818,-16.663 13.818,-18.528 15.249,-19.959 18.856,-19.959 20.462,-18.352 20.9,-18.352 20.904,-18.349 21.188,-18.632 U5.4@22.423,-18.632
NetB2_1: B2.1 U5.7 | length 37.9
  Top Layer w0.32: v1(20.911,-21.215) 20.911,-21.006 21.334,-20.582 U5.7@22.423,-20.582 ; B2.1@42.111,-8.736 B2.1@42.713,-8.736 44.337,-8.736 45.173,-9.571 45.173,-12.285 44.75,-12.708 v1(43.615,-12.708)
  Bottom Layer w0.32: v1(20.911,-21.215) 21.615,-20.511 21.615,-18.824 23.384,-17.055 29.01,-17.055 30.088,-18.133 36.932,-18.133 41.956,-13.109 43.213,-13.109 v1(43.615,-12.708)
NetB2_2: B2.2 U5.5 | length 29.8
  Top Layer w0.32: v1(20.72,-19.281) U5.5@22.423,-19.282 ; B2.2@41.778,-11.276 B2.2@42.713,-11.276 42.847,-11.41 v1(42.847,-12.186)
  Bottom Layer w0.32: v1(20.72,-19.281) 20.72,-18.843 23.079,-16.485 29.429,-16.485 30.481,-17.537 36.576,-17.537 41.927,-12.186 v1(42.847,-12.186)
NetBT1_1: BT1.1 C99.1 R99.2 U1.A3 | length 13.3
  Top Layer w0.127: 15.412,-10.389 ccw(c15.34,-10.291) 15.438,-10.219
  Top Layer w0.2: 14.698,-11.656 cw(c15.35,-11.811) 15.504,-11.159 ; 14.712,-11.355 cw(c15.168,-11.576) 15.389,-11.12
  Top Layer w0.22: R99.2@13.967,-5.787 cw(c14.365,-5.828) 14.406,-5.43 ; 18.088,-8.094 ccw(c18.049,-7.627) 18.515,-7.588 ; 18.575,-7.563 ccw(c19.078,-7.577) 19.064,-8.079
  Top Layer w0.25: U1.A3@14.668,-11.872 14.668,-11.233 15.031,-10.871 15.373,-10.871
  Top Layer w0.3: R99.2@13.774,-5.695 14.071,-5.398 17.9,-5.398 18.53,-6.028 18.53,-8.164
  Top Layer w0.8: 15.373,-10.871 C99.1@15.612,-10.632
NetC6_2: C6.2 U3.2 U3.3 | length 7.3
  Top Layer w0.25: U3.3@23.649,-12.975 U3.2@23.649,-11.705 ; U3.2@23.849,-11.705 U3.2@23.649,-11.705 ; C6.2@24.307,-8.088 23.642,-8.088 22.39,-9.34 22.39,-11.39 22.705,-11.705 U3.2@23.649,-11.705
NetC8_1: C8.1 C10.1 C11.1 | length 4.9
  Top Layer w0.25: C11.1@17.363,-14.484 17.99,-14.484 ; C11.1@17.363,-14.484 ccw(c17.455,-13.995) 17.944,-14.087 ccw(c18.503,-13.812) C8.1@18.778,-14.372 ; C10.1@17.951,-13.097 17.951,-14.445 17.99,-14.484 ; C8.1@19.063,-14.484 17.99,-14.484
NetC10_2: C10.2 R3.1 | length 1.3
  Top Layer w0.25: C10.2@18.951,-13.097 R3.1@20.211,-13.097
NetC12_1: C12.1 C13.2 D2.C U5.12 | length 6.6
  Top Layer w0.25: U5.12@28.163,-19.282 29.879,-19.282 C13.2@30.133,-19.536 32.874,-19.536 D2.C@34.17,-20.832
NetC13_1: C13.1 U5.11 | length 2.6
  Top Layer w0.2: 29.589,-20.302 ccw(c29.788,-20.159) C13.1@29.931,-20.358
  Top Layer w0.25: U5.11@28.163,-19.932 29.207,-19.932 29.81,-20.536 C13.1@30.133,-20.536
NetC14_2: C14.2 U5.14 | length 2.1
  Top Layer w0.25: U5.14@28.163,-17.982 C14.2@30.297,-17.982
NetC15_1: C15.1 U4.8 | length 2.1
  Top Layer w0.25: U4.8@26.46,-25.248 27.55,-25.248 28.066,-25.763 C15.1@28.316,-25.763
NetC21_1: C21.1 pad.23 R1.2 R2.1 U1.B3 | length 12.5
  Top Layer w0.2: C21.1@11.398,-14.016 ccw(c11.179,-13.215) R2.1@11.98,-12.996 ; C21.1@11.419,-14.013 ccw(c11.37,-13.049) R2.1@12.335,-12.999
  Top Layer w0.25: C21.1@11.493,-14.286 12.165,-13.614 R2.1@12.165,-12.856 ; pad.23@14.668,-12.352 15.361,-12.352 15.821,-11.893 R1.2@16.265,-11.893
  Bottom Layer w0.2: v2@11.952,-13.368 cw(c12.208,-13.227) 12.068,-12.971 ; v2(12.079,-13.347) ccw(c11.912,-13.155) 12.103,-12.989
  Bottom Layer w0.25: v2(12.079,-13.347) 12.079,-11.986 12.492,-11.572 14.632,-11.572 15.08,-12.021 v2(15.645,-12.021)
NetD1_A: D1.A R19.2 | length 10.3
  Top Layer w0.2: R19.2@45.103,-5.36 ccw(c45.49,-4.928) 45.922,-5.314 ; R19.2@45.24,-5.194 ccw(c45.629,-4.591) 46.232,-4.98 ; 50.254,-4.317 ccw(c50.108,-3.917) D1.A@50.508,-3.771 ; 50.409,-4.275 ccw(c50.231,-3.836) D1.A@50.67,-3.658
  Top Layer w0.25: R19.2@45.103,-5.36 45.868,-5.36 46.921,-4.306 50.552,-4.306 50.909,-3.949 D1.A@50.909,-3.501
NetD3_A: D3.A R18.2 | length 9.5
  Top Layer w0.25: D3.A@0.745,-3.7 0.745,-3.389 1.258,-2.875 3.08,-2.875 3.958,-3.753 6.878,-3.753 7.892,-4.766 R18.2@7.892,-5.157 ; 7.697,-4.577 cw(c7.425,-4.896) R18.2@7.744,-5.168
NetD3_C: D3.C U4.1 | length 76.7
  Top Layer w0.2: v3@4.544,-17.092 ccw(c4.534,-16.755) 4.872,-16.745
  Top Layer w0.22: v2@21.621,-37.059 ccw(c21.925,-37.038) 21.946,-37.342 ; U4.1@26.625,-29.766 cw(c26.777,-30.283) 27.294,-30.131 ; U4.1@26.763,-29.805 ccw(c27.044,-29.715) 27.134,-29.996
  Top Layer w0.25: D3.C@2.707,-3.488 ccw(c3.453,-3.504) 3.437,-4.25
  Top Layer w0.258: D3.C@2.365,-3.7 2.925,-4.259 5.364,-4.259 5.692,-4.587 5.692,-6.991 4.889,-7.794 4.889,-17.012 v3(4.638,-17.263) ; v2(21.507,-37.165) 21.709,-37.366 26.215,-37.366 26.431,-37.151 27.414,-37.151 29.191,-35.373 29.191,-33.131 28.992,-32.932 28.992,-31.831 28.091,-30.93 28.091,-30.91 26.979,-29.798 U4.1@26.46,-29.798
  Bottom Layer w0.2: v3(4.638,-17.263) cw(c4.897,-17.026) 4.66,-16.768
  Bottom Layer w0.258: v3(4.638,-17.263) 4.638,-16.172 5.549,-15.261 13.25,-15.261 13.628,-15.64 13.628,-30.564 14.498,-31.433 14.498,-36.649 16.121,-38.271 16.445,-38.271 16.453,-38.264 20.663,-38.264 21.507,-37.42 v2(21.507,-37.165)
NetD4_C: D4.C J9.1 J17.1 | length 32.1
  Top Layer w0.5: v5(25.203,-39.839) 26.513,-39.839 27.213,-39.139 28.333,-39.139 31.232,-36.24 31.232,-32.78 32.827,-31.186 34.713,-31.186 36.024,-29.874 D4.C@36.024,-29.332
  Bottom Layer w0.5: J17.1@13.845,-43.412 13.845,-41.761 J9.1@15.114,-40.492 16.713,-38.893 23.193,-38.893 24.139,-39.839 v5(25.203,-39.839)
NetP3_1: P3.1 R16.2 | length 6.3
  Top Layer w0.25: P3.1@9.531,-24.809 9.531,-25.794 9.853,-26.116 13.845,-26.116 14.298,-25.664 R16.2@14.298,-25.473
NetP3_2: P3.2 R20.1 | length 2.4
  Top Layer w0.25: P3.2@12.071,-24.809 12.536,-24.344 R20.1@14.304,-24.344
NetP3_3: P3.3 R21.2 | length 6.1
  Top Layer w0.2: 13.606,-23.487 ccw(c13.632,-23.028) R21.2@14.091,-23.055
  Top Layer w0.25: P3.3@9.531,-22.269 10.762,-23.499 13.97,-23.499 R21.2@14.291,-23.178
NetP3_4: P3.4 R22.1 | length 2.3
  Top Layer w0.25: P3.4@12.071,-22.269 12.304,-22.036 R22.1@14.285,-22.036
NetP7_1: P7.1 P10.1 U3.8 | length 18
  Top Layer w0.2: 34.056,-7.917 ccw(c34,-7.362) P7.1@34.555,-7.305
  Top Layer w0.25: P10.1@27.073,-5.395 27.144,-5.466 34.437,-5.466 35.141,-6.17 P7.1@35.141,-7.455 35.141,-7.942 33.98,-7.942 31.487,-10.435 U3.8@29.237,-10.435
NetP7_2: P7.2 P10.2@25.073,-5.495 R17.2 U3.5 | length 36.1
  Top Layer w0.2: U3.5@29.866,-14.09 ccw(c29.986,-13.078) 30.998,-13.198 ; 36.573,-9.014 ccw(c36.301,-8.415) P7.2@36.901,-8.144
  Top Layer w0.25: R17.2@24.326,-15.523 27.96,-15.523 29.237,-14.245 30.339,-14.245 31.023,-13.561 31.023,-11.606 33.602,-9.027 36.73,-9.027 37.302,-8.455 P7.2@37.302,-7.455 37.302,-7.303 34.965,-4.966 29.882,-4.966 28.375,-3.458 26.067,-3.458 25.073,-4.452 P10.2@25.073,-5.495
NetQ1_1: Q1.1 R25.2 | length 2.4
  Top Layer w0.203: Q1.1@37.43,-34.182 37.43,-34.755 37.607,-34.932 R25.2@37.607,-36.488
NetQ2_1: Q2.1 R26.2 | length 2.6
  Top Layer w0.203: R26.2@36.004,-36.566 36.232,-36.339 36.232,-34.958 36.471,-34.72 Q2.1@36.471,-34.194
NetR2_2: R2.2 R15.1 U1.B1 | length 4.3
  Top Layer w0.25: R15.1@9.907,-12.863 10.851,-12.863 11.696,-12.018 12.861,-12.018 13.214,-12.372 U1.B1@13.668,-12.372
NetR3_2: R3.2 R17.1 U3.4 | length 6.8
  Top Layer w0.25: R3.2@21.232,-13.076 21.431,-13.076 22.6,-14.245 U3.4@23.649,-14.245 ; 22.372,-14.02 ccw(c22.682,-13.788) U3.4@22.914,-14.097 ; 22.825,-14.333 cw(c22.564,-15.051) R17.1@23.282,-15.313 ; R17.1@23.326,-15.523 23.326,-14.569 ; R17.1@23.426,-15.362 cw(c24.063,-15.006) U3.4@23.707,-14.369
NetR6_2: R6.2 U5.16 | length 2.4
  Top Layer w0.25: U5.16@28.163,-16.682 28.955,-16.682 R6.2@30.064,-15.573
NetR7_2: R7.2 U5.15 | length 3.1
  Top Layer w0.2: 29.413,-17.138 cw(c29.914,-17.457) R7.2@30.232,-16.957
  Top Layer w0.25: U5.15@28.163,-17.332 29.182,-17.332 29.717,-16.798 R7.2@30.102,-16.798
NetR8_1: R8.1 U5.3 | length 5.1
  Top Layer w0.25: R8.1@17.956,-18.922 18.793,-18.922 20.016,-17.7 21.104,-17.7 21.386,-17.982 U5.3@22.423,-17.982
NetR9_2: R9.2 U5.9 | length 1.3
  Top Layer w0.25: R9.2@27.753,-22.363 28.163,-21.953 U5.9@28.163,-21.232
NetR10_2: R10.2 U5.10 | length 3.5
  Top Layer w0.25: R10.2@25.394,-22.363 25.542,-22.363 27.323,-20.582 U5.10@28.163,-20.582
NetR11_2: R11.2 U5.1 | length 1.5
  Top Layer w0.25: U5.1@21.845,-16.682 22.121,-16.682 22.035,-16.597 R11.2@22.035,-15.517
NetR12_1: R12.1 U5.6 | length 3.9
  Top Layer w0.25: R12.1@19.63,-20.907 20.165,-20.907 21.14,-19.932 U5.6@22.423,-19.932 ; R12.1@19.89,-20.664 ccw(c20.138,-20.288) 20.515,-20.536
NetS1_2: pad.27 S1.2 TP2.1 U1.A2 | length 38.1
  Top Layer w0.2: 14.193,-10.878 cw(c14.886,-10.694) 14.19,-10.867 ccw(c15.22,-10.987) 14.2,-11.173
  Top Layer w0.25: U1.A2@14.168,-11.872 pad.27@14.168,-10.114
  Top Layer w0.5: TP2.1@42.414,-2.936 42.952,-2.398
  Top Layer w0.7: 44.032,-2.711 S1.2@44.032,-1.419
  Bottom Layer w0.7: v4(14.129,-8.844) 16.713,-8.844 21.159,-4.398 34.586,-4.398 36.032,-5.844 42.608,-5.844 44.048,-4.404 v4(44.048,-3.35)
NRST: C18.2 P12.1 R13.2 U4.4 | length 10.2
  Top Layer w0.22: 28.068,-27.655 ccw(c28.187,-27.331) C18.2@28.51,-27.45 ; 28.213,-27.503 cw(c28.475,-27.51) C18.2@28.482,-27.248 ; C18.2@28.309,-27.591 cw(c27.98,-28.044) R13.2@28.432,-28.373 ; C18.2@28.687,-27.482 ccw(c29.12,-27.89) R13.2@28.712,-28.323 ; R13.2@28.722,-28.429 ccw(c29.15,-28.779) 28.8,-29.207 ; 29.086,-29.501 ccw(c29.396,-29.23) P12.1@29.667,-29.54
  Top Layer w0.25: U4.4@26.46,-27.848 27.884,-27.848 C18.2@28.316,-27.415 ; R13.2@28.533,-28.676 C18.2@28.533,-27.354 ; R13.2@28.548,-28.472 28.548,-28.97 29.705,-30.127 P12.1@30.159,-30.127
P0: J13.1 P2.3 | length 27.2
  Top Layer w0.25: P2.3@39.73,-22.27 40.997,-23.537 44.309,-23.537 45.314,-24.542 45.314,-39.5 49.226,-43.412 J13.1@49.405,-43.412
P1: J5.1 J19.1 P4.3 | length 16.3
  Bottom Layer w0.25: J5.1@35.434,-40.492 35.434,-41.514 37.332,-43.412 J19.1@39.245,-43.412 39.245,-42.248 38.449,-41.453 38.449,-35.523 39.73,-34.242 P4.3@39.73,-33.57